# Allegro board LAY-95869_A.brd (continued)
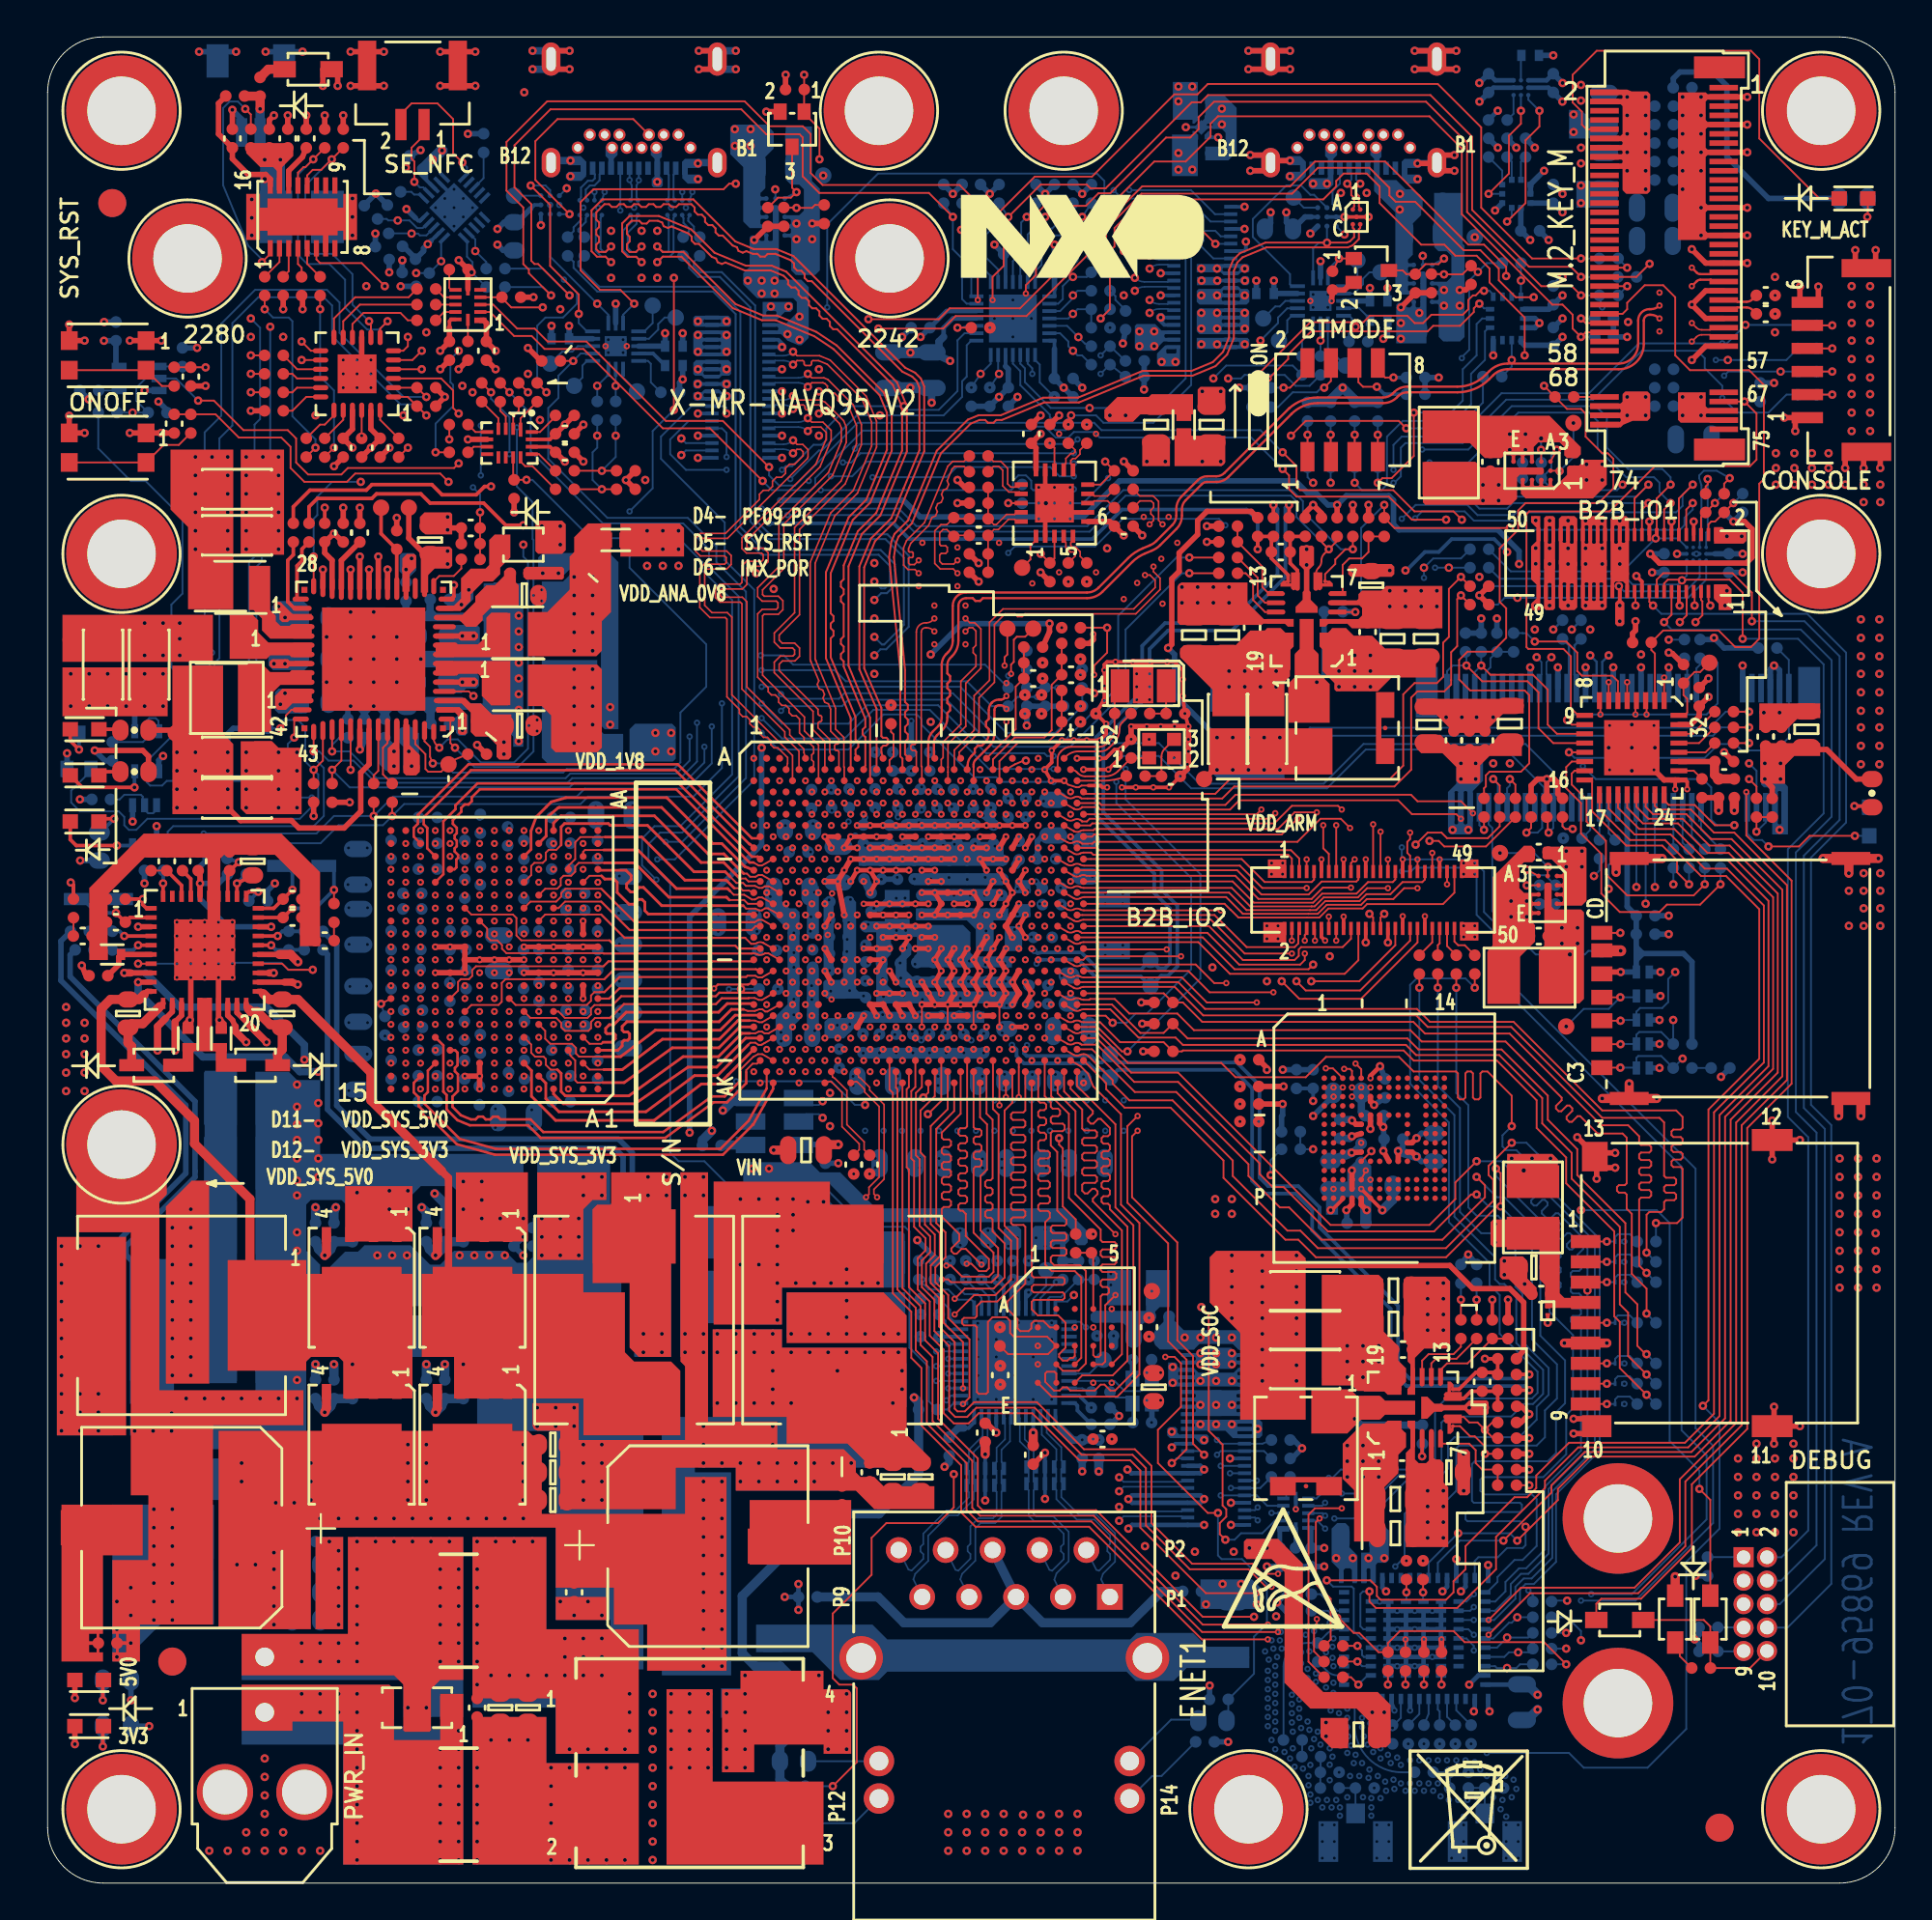
[diagram p0: board, top side]
## Copper pours and planes (outline as drawn; the poured copper is in the pictures) (continued)
GND on TOP (solid shape): 73.27,24.4 73.52,24.4 73.52,23.6 73.12,23.2 73.12,22.2 72.37,21.45 72.37,18.5 70.72,18.5 70.72,21.28 70.1,21.9 70.1,23.8 71.2,24.9 73.27,24.9
GND on TOP (solid shape): 89.75,80 89.85,79.9 91.5,79.9 91.5,79.6 89.8,79.6 89.75,79.55 89.75,79.45 89.8,79.4 91.5,79.4 91.5,79.1 88.4,79.1 88.25,79.25 88.25,80.75 89.75,80.75
GND on TOP (solid shape): 11.5,90.75 16,90.75 16,91.5 16.75,91.5 16.75,89 16,89 16,89.5 15.2,89.5 15.2,88.35 14.9,88.35 14.9,89.5 11.5,89.5 11.5,89 10.75,89 10.75,91.5 11.5,91.5
GND on TOP (solid shape): 66.75,67.72 67.25,67.72 67.25,65.37 66.95,65.07 66.95,63.2 63.05,63.2 63.05,64.65 61.3,66.4 61.3,66.85 61.5,67.05 64.3,67.05 65.1,67.85 65.88,67.85 66,67.97 66.75,67.97
GND on TOP (solid shape): 70.7,67.57 71.7,67.57 72.45,66.82 74.98,66.82 75.15,66.65 75.15,65.3 72.75,65.3 72,64.55 69.75,64.55 69.65,64.65 69.65,65 69,65.65 69,67.72 69.5,67.72 69.5,67.97 70.3,67.97
GND on TOP (solid shape): 84.8,72.6 84.85,72.55 84.95,72.55 85,72.6 85,73.4 85.2,73.4 85.2,72.65 85.25,72.6 85.35,72.6 85.4,72.65 85.4,73.4 85.6,73.4 85.6,70.85 84.6,70.85 84.6,73.4 84.8,73.4
GND on TOP (solid shape): 82,72.65 82.05,72.6 82.15,72.6 82.2,72.65 82.2,73.4 82.4,73.4 82.4,72.6 82.45,72.55 82.55,72.55 82.6,72.6 82.6,73.4 82.8,73.4 82.8,71.35 82.65,71.2 82.05,71.2 81.8,71.45 81.8,73.4 82,73.4
GND on TOP (solid shape): 82,69.5 82.05,69.45 82.15,69.45 82.2,69.5 82.2,70.3 82.4,70.3 82.4,69.55 82.45,69.5 82.55,69.5 82.6,69.55 82.6,70.3 82.8,70.3 82.8,69.1 82.65,68.95 81.95,68.95 81.8,69.1 81.8,70.3 82,70.3
GND on TOP (solid shape): 82.8,73.9 82.8,72.7 82.6,72.7 82.6,73.5 82.55,73.55 82.45,73.55 82.4,73.5 82.4,72.7 82.2,72.7 82.2,73.45 82.15,73.5 82.05,73.5 82,73.45 82,72.7 81.8,72.7 81.8,73.9 81.95,74.05 82.65,74.05
GND on TOP (solid shape): 82.8,71.55 82.8,69.6 82.6,69.6 82.6,70.35 82.55,70.4 82.45,70.4 82.4,70.35 82.4,69.6 82.2,69.6 82.2,70.4 82.15,70.45 82.05,70.45 82,70.4 82,69.6 81.8,69.6 81.8,71.65 81.95,71.8 82.55,71.8
GND on TOP (solid shape): 85.6,73.9 85.6,72.7 85.4,72.7 85.4,73.45 85.35,73.5 85.25,73.5 85.2,73.45 85.2,72.7 85,72.7 85,73.5 84.95,73.55 84.85,73.55 84.8,73.5 84.8,72.7 84.6,72.7 84.6,73.9 84.75,74.05 85.45,74.05
GND on TOP (solid shape): 14.75,54.75 14.75,50.75 13.65,50.75 13.65,54.35 12.3,55.7 9.55,55.7 9.35,55.5 9.35,50 8.2,50 8.2,51 8.65,51 8.65,55.45 8.55,55.55 5.25,55.55 3.25,53.55 3.25,50 2.25,50 2.25,53.9 5.2,56.85 12.65,56.85
GND on TOP (solid shape): 35.75,25 39.5,25 39.5,23.5 43.1,23.5 43.75,22.85 43.75,22.25 44,22 44.75,22 45.25,21.5 48,21.5 48,20.25 44.75,20.25 43.75,21.25 37.25,21.25 37.25,22.5 30,22.5 30,24 34.5,24 34.5,28 34.25,28.25 34.25,38.5 35.75,38.5
GND on TOP (solid shape): 42,10.5 43.2,10.5 43.41,10.41 43.5,10.2 43.5,7 42,7 42,7.5 38.25,7.5 38.25,6 36.5,6 36.5,10.5 37.5,10.5 37.5,11.5 42,11.5
GND on TOP (solid shape): 89.85,96.9 91.5,96.9 91.5,96.6 89.85,96.6 89.75,96.5 89.75,95.5 89.85,95.4 91.5,95.4 91.5,95.1 89.85,95.1 89.75,95 89.75,94 89.85,93.9 91.5,93.9 91.5,93.6 89.85,93.6 89.75,93.5 89.75,91 89.85,90.9 91.5,90.9 91.5,90.6 89.85,90.6 89.75,90.5 89.75,89.5 89.85,89.4 91.5,89.4 91.5,89.1 89.85,89.1 89.75,89 88.25,89 88.25,97 89.75,97
GND on TOP (solid shape): 6.45,37.3 6.05,36.9 6.05,26.7 13.85,26.7 13.85,24.8 8.95,24.8 8.95,14 5,14 5,12 3.5,12 3.5,12.5 3.7,12.5 3.7,12.85 3.85,12.85 3.85,12.5 4.25,12.5 4.25,12.9 3.65,12.9 3.65,13.1 4.25,13.1 4.25,13.5 3.85,13.5 3.85,13.15 3.7,13.15 3.7,13.5 3.5,13.5 3.5,17.5 5.45,17.5 5.45,21 4.5,21 4.5,35.25 1.55,35.25 1.55,41.45 6.45,41.45
GND on TOP (solid shape): 77.59,79.49 81.29,79.49 82.99,77.79 82.99,77.39 82.79,77.19 82.24,77.19 82.09,77.34 82.09,77.79 81.84,78.04 80.69,78.04 80.44,77.79 80.44,76.94 80.39,76.89 80.29,76.89 80.24,76.94 80.24,77.34 79.99,77.34 79.94,77.29 79.94,76.94 79.89,76.89 79.79,76.89 79.74,76.94 79.74,77.29 79.69,77.34 79.49,77.34 79.44,77.29 79.44,76.94 79.39,76.89 79.29,76.89 79.24,76.94 79.24,77.29 79.19,77.34 78.84,77.34 78.69,77.19 77.79,77.19 76.94,78.04 74.49,78.04 74.49,79.74 77.34,79.74
GND on TOP (solid shape): 80.51,55.99 80.51,55.44 80.36,55.29 79.91,55.29 79.66,55.04 79.66,53.89 79.91,53.64 80.76,53.64 80.81,53.59 80.81,53.49 80.76,53.44 80.36,53.44 80.36,53.19 80.41,53.14 80.76,53.14 80.81,53.09 80.81,52.99 80.76,52.94 80.41,52.94 80.36,52.89 80.36,52.69 80.41,52.64 80.76,52.64 80.81,52.59 80.81,52.49 80.76,52.44 80.41,52.44 80.36,52.39 80.36,52.04 80.51,51.89 80.51,50.99 79.66,50.14 79.66,47.69 77.96,47.69 77.96,50.54 78.21,50.79 78.21,54.49 79.91,56.19 80.31,56.19
GND on BOTTOM (solid shape): 16,13.75 14.5,13.75 14.5,18.75 16,18.75
GND on BOTTOM (solid shape): 31.1,24.5 23.25,24.5 23.25,28.75 31.1,28.75
GND on BOTTOM (solid shape): 35.75,28.5 34.25,28.5 34.25,38.5 35.75,38.5
GND on BOTTOM (solid shape): 40.15,8.95 36.45,8.95 36.45,10.55 40.15,10.55
GND on BOTTOM (solid shape): 46.4,29.5 40,29.5 40,32 46.4,32
GND on BOTTOM (solid shape): 50.7,44.65 44.1,44.65 44.1,45.25 50.7,45.25
GND on BOTTOM (solid shape): 51.7,53.2 47.2,53.2 47.2,53.85 51.7,53.85
GND on BOTTOM (solid shape): 51.75,55.1 43.9,55.1 43.9,56.4 51.75,56.4
GND on BOTTOM (solid shape): 66.9,63.45 62.95,63.45 62.95,66 66.9,66
GND on BOTTOM (solid shape): 85,90.75 82.75,90.75 82.75,92.2 85,92.2
GND on BOTTOM (solid shape): 42.55,49.36 42.11,49.36 42,49.47 42,53.31 42.55,53.31
GND on BOTTOM (solid shape): 72.3,29.8 72.3,27 69,27 69,31.25 70.85,31.25
GND on BOTTOM (solid shape): 7.37,24.24 4.46,24.24 4.46,25.44 6.17,25.44 6.44,25.71 7.37,25.71
GND on BOTTOM (solid shape): 65.7,15.95 65.7,15 65.55,14.85 62.4,14.85 62.4,16.45 65.2,16.45
GND on BOTTOM (solid shape): 9,14 6.1,14 4.9,12.8 4.9,12 3.5,12 3.5,20.5 9,20.5
GND on BOTTOM (solid shape): 83.6,95.45 85,95.45 85,94.75 84.75,94.5 82.35,94.5 82.35,96.05 83,96.05
GND on BOTTOM (solid shape): 32.25,11.59 30.47,11.59 30.47,14.25 27.5,14.25 27.5,24.5 25.25,24.5 25.25,26.05 32.25,26.05
GND on BOTTOM (solid shape): 46,22.5 42.75,22.5 42.75,21.25 37.25,21.25 37.25,22.5 35.25,22.5 35.25,25.25 46,25.25
GND on BOTTOM (solid shape): 52.7,35.4 52.7,34.45 52.55,34.3 51.95,34.3 51.75,34.5 51.75,35.4 51.95,35.6 52.5,35.6
GND on BOTTOM (solid shape): 50.7,46.6 43.95,46.6 43.1,45.75 42.25,45.75 42.05,45.95 42.05,46.65 42.25,46.85 43.2,46.85 43.55,47.2 50.7,47.2
GND on BOTTOM (solid shape): 64.4,83.5 63.6,83.5 63.55,83.45 63.55,83.35 63.6,83.3 64.4,83.3 64.4,83.1 62.2,83.1 62.2,83.7 64.4,83.7
GND on BOTTOM (solid shape): 46.75,50.3 46.5,50.05 46.5,49.4 46.8,49.1 52.2,49.1 52.2,48.5 46.2,48.5 45.9,48.8 45.9,50 46.2,50.3 46.2,50.8 46.75,50.8
GND on BOTTOM (solid shape): 64.4,87.5 63.65,87.5 63.6,87.45 63.6,87.35 63.65,87.3 64.4,87.3 64.4,87.1 63.65,87.1 63.5,87.25 62.2,87.25 62.2,87.7 64.4,87.7
GND on BOTTOM (solid shape): 29.15,93.25 29.15,92.45 28.9,92.2 28.2,92.2 28.05,92.35 28.05,92.55 28.2,92.7 28.85,92.7 28.85,93.05 28.2,93.05 28.05,93.2 28.05,93.4 28.2,93.55 28.85,93.55
GND on BOTTOM (solid shape): 35.45,93.25 35.45,93.05 35.3,92.9 34.65,92.9 34.65,92.55 35.3,92.55 35.45,92.4 35.45,92.2 35.3,92.05 34.65,92.05 34.35,92.35 34.35,93.25 34.5,93.4 35.3,93.4
GND on BOTTOM (solid shape): 39.75,53.2 40.15,52.8 40.5,52.8 40.7,52.6 40.7,46.75 40.3,46.35 40.3,45.7 39.4,45.7 39.4,46.95 40.05,47.6 40.05,51.65 38.85,52.85 38.85,54.05 39.75,54.05
GND on BOTTOM (solid shape): 61,30.45 61.5,29.95 65.2,29.95 65.2,28.9 64.45,28.9 64.15,29.2 62.35,29.2 62.05,28.9 60.2,28.9 59.95,29.15 59.95,29.95 60.4,30.4 60.4,30.75 61,30.75
GND on BOTTOM (solid shape): 68.1,93.25 68.1,92.45 67.85,92.2 67.15,92.2 67,92.35 67,92.55 67.15,92.7 67.8,92.7 67.8,93.05 67.15,93.05 67,93.2 67,93.4 67.15,93.55 67.8,93.55
GND on BOTTOM (solid shape): 74.4,93.25 74.4,93.05 74.25,92.9 73.6,92.9 73.6,92.55 74.25,92.55 74.4,92.4 74.4,92.2 74.25,92.05 73.6,92.05 73.3,92.35 73.3,93.25 73.45,93.4 74.25,93.4
GND on BOTTOM (solid shape): 61.05,83.1 60.6,83.1 60.55,83.05 60.55,82.9 60.6,82.85 61.05,82.85 61.1,82.9 61.1,83.3 61.3,83.3 61.3,82.3 61.15,82.15 60.2,82.15 60.05,82.3 60.05,82.85 60.5,83.3 61.05,83.3
GND on BOTTOM (solid shape): 70.45,19.3 70.45,18.2 70.9,17.75 70.9,16.35 70.6,16.35 70.6,16.95 70.5,17.05 70.25,17.05 70.15,16.95 70.15,16.35 69.9,16.35 69.9,17 69.5,17.4 69.5,19.2 69.8,19.5 70.25,19.5
GND on BOTTOM (solid shape): 93.4,63.8 93.45,63.75 93.55,63.75 93.6,63.8 93.6,65.2 93.9,65.2 93.9,63.7 94,63.6 94,63.15 92.65,63.15 92.65,63.6 92.75,63.7 93,63.7 93.1,63.8 93.1,65.2 93.4,65.2
GND on BOTTOM (solid shape): 40.35,85.55 40.35,85.25 40.2,85.1 39.9,85.1 39.5,84.7 38.95,84.7 38.95,84.9 39.4,84.9 39.45,84.95 39.45,85.1 39.4,85.15 38.95,85.15 38.9,85.1 38.9,84.7 38.7,84.7 38.7,85.65 40.25,85.65
GND on BOTTOM (solid shape): 76.4,63.8 76.45,63.75 76.55,63.75 76.6,63.8 76.6,65.2 76.9,65.2 76.9,63.8 77,63.7 78.5,63.7 78.5,63.05 78.35,62.9 75.45,62.9 75.45,63.7 76,63.7 76.1,63.8 76.1,65.2 76.4,65.2
GND on BOTTOM (solid shape): 65.75,24.95 65.75,24.25 65.6,24.1 64.47,24.1 64.47,24.3 65.15,24.3 65.2,24.35 65.2,24.45 65.15,24.5 64.47,24.5 64.47,24.7 65.15,24.7 65.2,24.75 65.2,24.85 65.15,24.9 64.47,24.9 64.47,25.1 65.6,25.1
GND on BOTTOM (solid shape): 64.36,96.16 64.36,93.76 63.91,93.31 62.66,93.31 62.66,94.06 63.56,94.06 63.76,94.26 63.76,94.81 63.56,95.01 63.06,95.01 63.06,95.31 62.81,95.31 62.56,95.06 62.41,95.06 62.41,95.36 62.66,95.61 62.66,96.71 62.81,96.86 63.66,96.86
GND on BOTTOM (solid shape): 36.3,82.3 35.5,82.3 35.45,82.25 35.45,82.15 35.5,82.1 36.3,82.1 36.3,81.9 35.55,81.9 35.5,81.85 35.5,81.75 35.55,81.7 36.3,81.7 36.3,81.5 35.55,81.5 35.4,81.65 35.05,81.65 34.95,81.75 34.95,82.35 35.1,82.5 36.3,82.5
GND on BOTTOM (solid shape): 37,82.35 37,81.75 36.9,81.65 36.5,81.65 36.35,81.5 35.6,81.5 35.6,81.7 36.35,81.7 36.4,81.75 36.4,81.85 36.35,81.9 35.6,81.9 35.6,82.1 36.4,82.1 36.45,82.15 36.45,82.25 36.4,82.3 35.6,82.3 35.6,82.5 36.85,82.5
GND on BOTTOM (solid shape): 61.15,28.1 61.15,28 61.25,27.9 62,27.9 62,27.7 61.25,27.7 61.2,27.65 61.2,27.55 61.25,27.5 62,27.5 62,27.3 61.25,27.3 61.2,27.25 61.2,27.15 61.25,27.1 62,27.1 62,26.9 60.65,26.9 60.65,28.2 61.05,28.2
GND on BOTTOM (solid shape): 64.4,86.3 63.65,86.3 63.6,86.25 63.6,86.15 63.65,86.1 64.4,86.1 64.4,85.9 63.6,85.9 63.55,85.85 63.55,85.75 63.6,85.7 64.4,85.7 64.4,85.5 62.35,85.5 62.2,85.65 62.2,86.25 62.3,86.35 63.5,86.35 63.65,86.5 64.4,86.5
GND on BOTTOM (solid shape): 64.6,86.35 64.95,86.35 65.05,86.25 65.05,85.65 64.9,85.5 63.7,85.5 63.7,85.7 64.5,85.7 64.55,85.75 64.55,85.85 64.5,85.9 63.7,85.9 63.7,86.1 64.45,86.1 64.5,86.15 64.5,86.25 64.45,86.3 63.7,86.3 63.7,86.5 64.45,86.5
GND on BOTTOM (solid shape): 65.13,24.9 64.45,24.9 64.4,24.85 64.4,24.75 64.45,24.7 65.13,24.7 65.13,24.5 64.45,24.5 64.4,24.45 64.4,24.35 64.45,24.3 65.13,24.3 65.13,24.1 64.15,24.1 63.75,24.5 61.35,24.5 61.35,24.7 62.05,24.7 62.1,24.75 62.1,24.85 62.05,24.9 61.35,24.9 61.35,25.1 65.13,25.1
GND on BOTTOM (solid shape): 62.3,27.65 64.2,27.65 64.45,27.9 65.13,27.9 65.13,27.7 64.45,27.7 64.4,27.65 64.4,27.55 64.45,27.5 65.13,27.5 65.13,27.3 64.45,27.3 64.4,27.25 64.4,27.15 64.45,27.1 65.13,27.1 65.13,26.9 61.35,26.9 61.35,27.1 62.05,27.1 62.1,27.15 62.1,27.25 62.05,27.3 61.35,27.3 61.35,27.5 62.05,27.5 62.1,27.55 62.1,27.65 62.05,27.7 61.35,27.7 61.35,27.9 62.05,27.9
GND on BOTTOM (solid shape): 13.5,43.5 14.75,43.5 14.75,39.5 25.75,39.5 25.75,36.6 25.45,36.6 24.6,35.75 23.05,35.75 23.05,36.6 21.9,37.75 20.2,37.75 19.75,37.3 19.75,36.25 16.85,36.25 16.7,36.1 16.7,35.65 16.3,35.65 16.3,36.25 16.15,36.4 16.15,36.75 15.9,37 14.25,37 14,36.75 14,34.25 14.75,33.5 14.75,30.75 28.5,30.75 28.5,28.5 14.25,28.5 14,28.25 14,23.5 7.23,23.5 7.23,26.5 11.25,26.5 11.25,43.95 13.05,43.95
GND on BOTTOM (solid shape): 41.38,92.2 41.8,91.78 41.8,87.35 41.55,87.1 40.5,87.1 40.25,87.35 40.25,89.08 40.19,89.14 39.84,89.14 39.79,89.19 39.79,89.29 39.84,89.34 40.19,89.34 40.24,89.39 40.24,89.59 40.19,89.64 39.84,89.64 39.79,89.69 39.79,89.79 39.84,89.84 40.19,89.84 40.24,89.89 40.24,90.06 40.16,90.14 39.84,90.14 39.79,90.19 39.79,90.29 39.84,90.34 40.69,90.34 40.94,90.59 40.94,91.74 40.69,91.99 40.24,91.99 39.95,92.28 39.95,95.15 41.38,95.15
GND on BOTTOM (solid shape): 76.6,88.8 76.7,88.7 76.7,83.75 76.45,83.5 75.55,83.5 75.3,83.75 75.3,85.48 75.24,85.54 74.89,85.54 74.84,85.59 74.84,85.69 74.89,85.74 75.24,85.74 75.29,85.79 75.29,85.99 75.24,86.04 74.89,86.04 74.84,86.09 74.84,86.19 74.89,86.24 75.24,86.24 75.29,86.29 75.29,86.46 75.21,86.54 74.89,86.54 74.84,86.59 74.84,86.69 74.89,86.74 75.74,86.74 75.99,86.99 75.99,88.14 75.74,88.39 75.29,88.39 75.05,88.63 75.05,91.55 76.6,91.55
GND on BOTTOM (solid shape): 25.75,61.55 25.2,61.55 25.2,62.1 25,62.3 23.55,62.3 23.55,65.5 23.2,65.85 20.3,65.85 20.1,65.65 20.1,64.45 20.3,64.25 22.45,64.25 22.8,63.9 23.45,63.9 23.45,63.55 21.1,63.55 20.95,63.4 20.95,62.65 20.5,62.65 20.5,63.35 20.35,63.5 18.65,63.5 18.5,63.35 18.5,62.95 18,62.95 18,63.35 17.85,63.5 17.5,63.5 17.35,63.35 17.35,62.95 16.95,62.95 16.95,63.35 16.8,63.5 14.85,63.5 14.85,69.1 18.3,69.1 18.6,68.8 19.1,68.8 19.2,68.9 19.2,69.55 19.6,69.55 19.6,68.9 19.7,68.8 20.35,68.8 20.5,68.95 20.5,69.65 20.9,69.65 20.9,68.95 21.05,68.8 23.45,68.8 23.45,68.35 20.4,68.35 20.25,68.2 20.25,66.95 20.45,66.75 23.35,66.75 23.6,67 23.6,70.4 25.75,70.4
GND on TOP: 44,46.15 44,45.5 52.6,45.5 53.15,46.05 53.15,46.55 44.4,46.55
GND on TOP: 43.6,58.1 43.6,57 53.45,57 53.45,58.1
GND on BOTTOM: 89.65,78.6 89.65,77.4 91,77.4 91,79.2 89.9,80.3 89.9,81.05 88.65,82.3 87.65,82.3 87.65,80 88.45,79.2 89.05,79.2
GND on BOTTOM: 87.65,96.25 87.65,88.2 88.7,88.2 88.7,88.7 88.95,88.95 89.75,88.95 89.75,97.55 88.95,97.55
GND on BOTTOM: 66.7,14.3 69.45,14.3 69.6,14.15 69.6,13.4 70.45,13.4 70.45,13.1 69.8,13.1 69.75,13.05 69.75,12.95 69.8,12.9 70.45,12.9 70.45,12.6 69.8,12.6 69.75,12.55 69.75,12.45 69.8,12.4 70.45,12.4 70.45,12.1 69.8,12.1 69.75,12.05 69.75,11.95 69.8,11.9 70.45,11.9 70.45,11.6 69.5,11.6 69.5,11.45 70.45,11.45 70.45,10.6 70.15,10.6 70.15,9.7 71.85,9.7 71.85,8 72.8,7.05 77.15,7.05 77.95,6.25 82,6.25 82,0.55 67.7,0.55 67.7,5.15 65.7,7.15 65.7,13.3
GND on L2_GND1, L7_GND3, L9_GND4: 99.4,2.9 98.7,1.2 97,0.5 3,0.5 1.24,1.23 0.51,2.99 0.51,97.01 1.24,98.77 3,99.5 97,99.5 98.7,98.8 99.4,97.1
GND on L3_IN1: 53.3,76.15 53.3,73.65 55.75,73.65 55.75,76.65 54.95,77.45 54.15,77.45 53.95,77.25 53.95,76.8
GND on L3_IN1: 73,52 73,37 82.95,37 82.95,45.15 85.65,45.15 85.65,52
GND on L3_IN1: 25.2,68 25.2,61.5 27.4,61.5 27.4,68
GND on L3_IN1: 88.75,82.95 88.75,82.3 89.25,82.3 89.6,82.65 92.85,82.65 93.75,83.55 93.75,84.2 93.6,84.35 93.25,84.35 92.75,84.85 92.75,87.3 92.25,87.8 89.6,87.8 89.6,83.2 89.35,82.95
GND on L4_GND2: 99.4,2.9 98.7,1.2 97,0.5 3,0.5 1.24,1.23 0.51,2.99 0.51,97.01 1.24,98.76 2.99,99.49 97.01,99.49 98.7,98.79 99.4,97.1
GND on L5_POWER1: 37.45,73.1 37.45,70.9 38.75,69.6 40.6,69.6 41.85,70.85 51.25,70.85 52.5,69.6 78.1,69.6 78.1,71 77.5,71.6 74.25,71.6 72.9,72.95 69.5,72.95 68.6,73.85 60,73.85 58,71.85 56.1,71.85 54.85,73.1 ; 1 cut-out
GND on L6_POWER2: 99.4,2.9 98.7,1.2 97,0.5 3,0.5 1.24,1.23 0.51,2.99 0.51,97.01 1.24,98.77 3,99.5 97,99.5 98.7,98.8 99.4,97.1 ; 1 cut-out
GND on L8_IN2: 55.95,52.2 55.95,48.8 58.6,48.8 58.6,52.2
VBUS_USB1 on BOTTOM (solid shape): 30.85,94.1 30.85,93.6 30.65,93.4 30.65,92.55 30.35,92.55 30.35,93.4 30.2,93.55 30.2,94.05 30.45,94.3 30.65,94.3
VBUS_USB1 on BOTTOM (solid shape): 33.25,94.1 33.25,93.5 33.15,93.4 33.15,92.45 33.3,92.3 33.3,91.95 33.2,91.85 32.8,91.85 32.7,91.95 32.7,92.3 32.85,92.45 32.85,93.4 32.65,93.6 32.65,94.1 32.75,94.2 33.15,94.2
VBUS_USB1 on BOTTOM (solid shape): 39.3,94.85 39.3,93.95 38.85,93.5 38.85,91.81 38.59,91.54 38.59,91.39 38.64,91.34 38.94,91.34 38.99,91.29 38.99,91.19 38.94,91.14 38.64,91.14 38.59,91.09 38.59,90.89 38.64,90.84 38.94,90.84 38.99,90.79 38.99,90.69 38.94,90.64 38.64,90.64 38.59,90.59 38.59,90.39 38.64,90.34 38.94,90.34 38.99,90.29 38.99,90.19 38.94,90.14 38.64,90.14 38.59,90.09 38.59,89.89 38.64,89.84 38.94,89.84 38.99,89.79 38.99,89.69 38.94,89.64 38.01,89.64 37.65,90 37.65,92.95 36.95,93.65 36.95,95.1 37.1,95.25 38.9,95.25
VBUS_USB1 on L6_POWER2: 26.3,90.35 26.3,88.75 26.7,88.35 29.7,88.35 29.7,85.2 39.95,85.2 39.95,95.25 36.55,95.25 35.65,94.35 29.7,94.35 29.7,90.65 26.6,90.65
VBUS_USB2 on BOTTOM (solid shape): 69.8,94.1 69.8,93.6 69.6,93.4 69.6,92 69.35,91.75 68.4,91.75 68.25,91.9 68.25,92.25 68.35,92.35 69.25,92.35 69.3,92.4 69.3,93.4 69.15,93.55 69.15,94.05 69.4,94.3 69.6,94.3
VBUS_USB2 on BOTTOM (solid shape): 72.2,94.1 72.2,93.5 72.1,93.4 72.1,92.4 72.25,92.25 73,92.25 73.5,91.75 73.85,91.75 74.35,91.25 74.35,90.35 73.9,89.9 73.9,88.21 73.64,87.94 73.64,87.79 73.69,87.74 73.99,87.74 74.04,87.69 74.04,87.59 73.99,87.54 73.69,87.54 73.64,87.49 73.64,87.29 73.69,87.24 73.99,87.24 74.04,87.19 74.04,87.09 73.99,87.04 73.69,87.04 73.64,86.99 73.64,86.79 73.69,86.74 73.99,86.74 74.04,86.69 74.04,86.59 73.99,86.54 73.69,86.54 73.64,86.49 73.64,86.29 73.69,86.24 73.99,86.24 74.04,86.19 74.04,86.09 73.99,86.04 73.31,86.04 72.95,86.4 72.95,90.5 71.8,91.65 71.8,93.4 71.6,93.6 71.6,94.1 71.7,94.2 72.1,94.2
VBUS_USB2 on L6_POWER2: 68.1,94.4 68.1,87.7 73.75,87.7 73.75,94.4
VCC_LM5143 on TOP (solid shape): 8.9,45.5 9.7,45.5 9.7,44.65 10.75,44.65 10.75,43.95 9.1,43.95 9.1,45.05 7.9,45.05 7.9,43.95 6.25,43.95 6.25,44.65 7.3,44.65 7.3,45.5 8.1,45.5 8.1,47.95 8.9,47.95
VCC_SE051 on BOTTOM (solid shape): 21.65,93.95 21.65,93.75 20.6,92.7 20.6,92.3 21.1,91.8 20.95,91.65 20,92.6 20,92.95 21.2,94.15 21.45,94.15
VCC_SE051 on L6_POWER2: 17.35,92.1 17.35,89.3 17.7,88.95 18.45,88.95 23.15,93.65 23.15,94.85 22.85,95.15 20.4,95.15
VDD2_CPU_DDR on TOP (solid shape): 8.95,66.15 0.8,66.15 0.8,68.7 8.95,68.7
VDD2_CPU_DDR on L5_POWER1: 22.7,60.95 30.35,60.95 30.35,56.55 34.7,52.2 41.95,52.2 42.2,51.95 42.2,51 41.5,50.3 38.25,50.3 38.25,41.5 34.6,41.5 34.1,41 23.5,41 14.3,50.2 14.3,55 5,55 5,68.4 5.3,68.7 22.7,68.7
VDD_1V8 on TOP (solid shape): 30,65.75 30,61.5 29.75,61.25 27.5,61.25 27.25,61.5 27.25,63.25 26.75,63.75 26,63.75 26,66 29.75,66
VDD_1V8 on TOP (solid shape): 85.2,69.5 85.35,69.35 85.35,68.2 85.23,68.08 84.97,68.08 84.85,68.2 84.85,69.35 85,69.5 85,70.28 85.2,70.28
VDD_1V8 on BOTTOM (solid shape): 29.75,62.6 30.1,62.25 31.15,62.25 31.15,60.65 27.05,60.65 26.75,60.95 26.75,66.25 29.75,66.25
VDD_1V8 on BOTTOM (solid shape): 61.15,24.6 61.15,24.4 61.25,24.3 62.75,24.3 62.85,24.2 62.85,23.9 62.7,23.75 62.45,23.75 62.1,24.1 60.75,24.1 60.6,24.25 60.6,24.6 60.7,24.7 61.05,24.7
VDD_1V8 on BOTTOM (solid shape): 71.65,38.85 71.65,35.75 71.05,35.75 71.05,36.9 70.8,37.15 70.1,37.15 69.85,36.9 69.85,36.2 69.2,36.2 69.2,38 70.35,38 70.35,38.65 70.85,39.15 71.35,39.15
VDD_1V8 on BOTTOM (solid shape): 72.6,19.1 72.6,17.5 72.45,17.35 72,17.35 71.9,17.25 71.9,16.25 71.6,16.25 71.6,17 71.55,17.05 71.45,17.05 71.4,17 71.4,16.25 71.1,16.25 71.1,17.9 71.55,17.9 71.55,19.3 71.75,19.5 72.2,19.5
VDD_1V8 on L3_IN1: 27.7,66.05 27.7,61.4 29.8,61.4 29.8,66.05
VDD_1V8 on L5_POWER1: 32.05,63.15 31,64.2 30.2,64.2 29.9,63.9 29.9,61.15 22.9,61.15 22.9,69 16.1,69 16.1,76.55 31.4,91.85 65.35,91.85 65.35,86.5 61.2,86.5 61.2,81.55 59.85,80.2 54.65,80.2 50.15,75.7 47.35,75.7 38,85.05 34.6,85.05 34.2,84.65 34.2,82.65 34.65,82.2 36.8,82.2 37.25,81.75 37.25,70.85 38.7,69.4 40.7,69.4 41.95,70.65 51.12,70.65 52.37,69.4 78.9,69.4 78.9,68.45 84.75,68.45 84.75,71.5 85.65,72.4 86.9,72.4 88.35,70.95 88.35,58.55 91.7,58.55 91.7,54.15 81,54.15 81,34 73.5,34 73.5,17.85 89.65,17.85 89.65,15.5 81.05,15.5 81.05,10.15 80.6,9.7 78.6,9.7 75.55,12.75 68,12.75 60.75,20 50.3,20 50.3,30.85 52.35,30.85 53.2,30 59.25,30 60.2,29.05 60.2,26 68.5,26 68.5,41 66.95,41 65.7,42.25 65.7,48.8 67.35,48.8 67.35,62.4 66.75,63 48.6,63 48.3,63.3 47.3,63.3 47.15,63.15
VDD_1V8 on L8_IN2: 25.4,66.05 29.65,66.05 29.75,65.95 29.75,62.95 30.1,62.6 32.35,62.6 32.35,47.7 38.8,41.25 47.8,41.25 48.05,41.5 48.05,42.45 47.65,42.85 46.5,42.85 46.5,46.35 47.75,46.35 48.45,45.65 48.75,45.65 49.4,46.3 49.84,46.3 50.2,45.94 50.2,39 49.3,38.1 35.4,38.1 32,41.5 20.3,41.5 15.75,46.05 15.75,54.95 17.5,56.7 24.65,56.7 25.4,57.45
VDD_3V3 on TOP (solid shape): 63.75,76.95 63.55,76.75 61,76.75 61,78.4 63.75,78.4
VDD_3V3 on TOP (solid shape): 9.5,62.25 10.05,61.7 10.05,57.9 6.75,57.9 6.75,65.95 9.5,65.95
VDD_3V3 on TOP (solid shape): 19.05,60.15 18.95,60.05 18.55,60.05 18.4,60.2 18.4,61.45 18.75,61.8 18.75,62.95 19.05,62.95
VDD_3V3 on TOP (solid shape): 28.05,73.6 28.05,72.2 27.85,72 26.55,72 26.4,72.15 26.4,73.6 26.6,73.8 27.85,73.8
VDD_3V3 on TOP (solid shape): 22.7,63.3 22.7,62.3 22.6,62.2 22.3,62.2 22.2,62.3 22.2,63.25 22.05,63.4 21.05,63.4 21.05,63.7 22.3,63.7
VDD_3V3 on TOP (solid shape): 67.95,17.3 67.95,11.45 69.05,10.35 72,10.35 72.7,9.65 72.7,7.6 72.45,7.35 71.7,7.35 71.5,7.55 71.5,8.8 70.85,9.45 68.35,9.45 66.95,10.85 66.95,16.85 66.25,17.55 64.9,17.55 64.75,17.7 64.75,18.5 64.9,18.65 66.6,18.65
VDD_3V3 on BOTTOM (solid shape): 62.26,94.61 62.26,92.46 60.86,92.46 60.86,94.71 62.16,94.71
VDD_3V3 on BOTTOM (solid shape): 18.55,61.9 19.05,61.4 19.05,60.25 18.3,60.25 17.95,60.6 17.95,62.15 18.55,62.15
VDD_3V3 on BOTTOM (solid shape): 22.75,63.25 22.75,62.3 22.6,62.15 22.25,62.15 22.1,62.3 22.1,62.45 21.5,62.45 21.5,63.15 22.1,63.15 22.3,63.35 22.65,63.35
VDD_3V3 on BOTTOM (solid shape): 41.8,38.5 42.9,38.5 44.85,36.55 55.05,36.55 56.3,35.3 56.3,34.7 56.15,34.55 55.75,34.55 55.6,34.7 55.6,35.2 55,35.8 44.4,35.8 42.25,37.95 37.65,37.95 37.65,39.05 41.25,39.05
VDD_3V3 on L3_IN1: 51.9,52.4 51.9,51.2 52.1,51 53.05,51 53.05,53.25 52.4,53.25 52.2,53.05 52.2,52.7
VDD_3V3 on L6_POWER2: 16,33.1 32.85,16.25 76.4,16.25 80.6,20.45 80.6,48.75 81.15,49.3 87.4,49.3 91.35,53.25 91.35,56.55 93.7,56.55 94.2,57.05 94.2,63.75 92.75,63.75 92.75,76.25 93.25,76.75 94.9,76.75 94.9,79.8 90.75,79.8 90.75,73.65 79.75,73.65 79.75,82 84.6,82 84.6,86.7 81.6,86.7 81.6,85.1 82.65,85.1 82.65,83.25 75.9,83.25 75.9,86.85 75.45,87.3 64.3,87.3 64.05,87.55 64.05,95 48.6,95 48.6,84.95 21.4,84.95 17.15,89.2 17.15,97.75 12.35,97.75 0.55,85.95 0.55,45.5 7.45,45.5 16,36.95